# Altium PCB HORNET-1-IPG.PcbDoc (part 4 of 8) (continued)
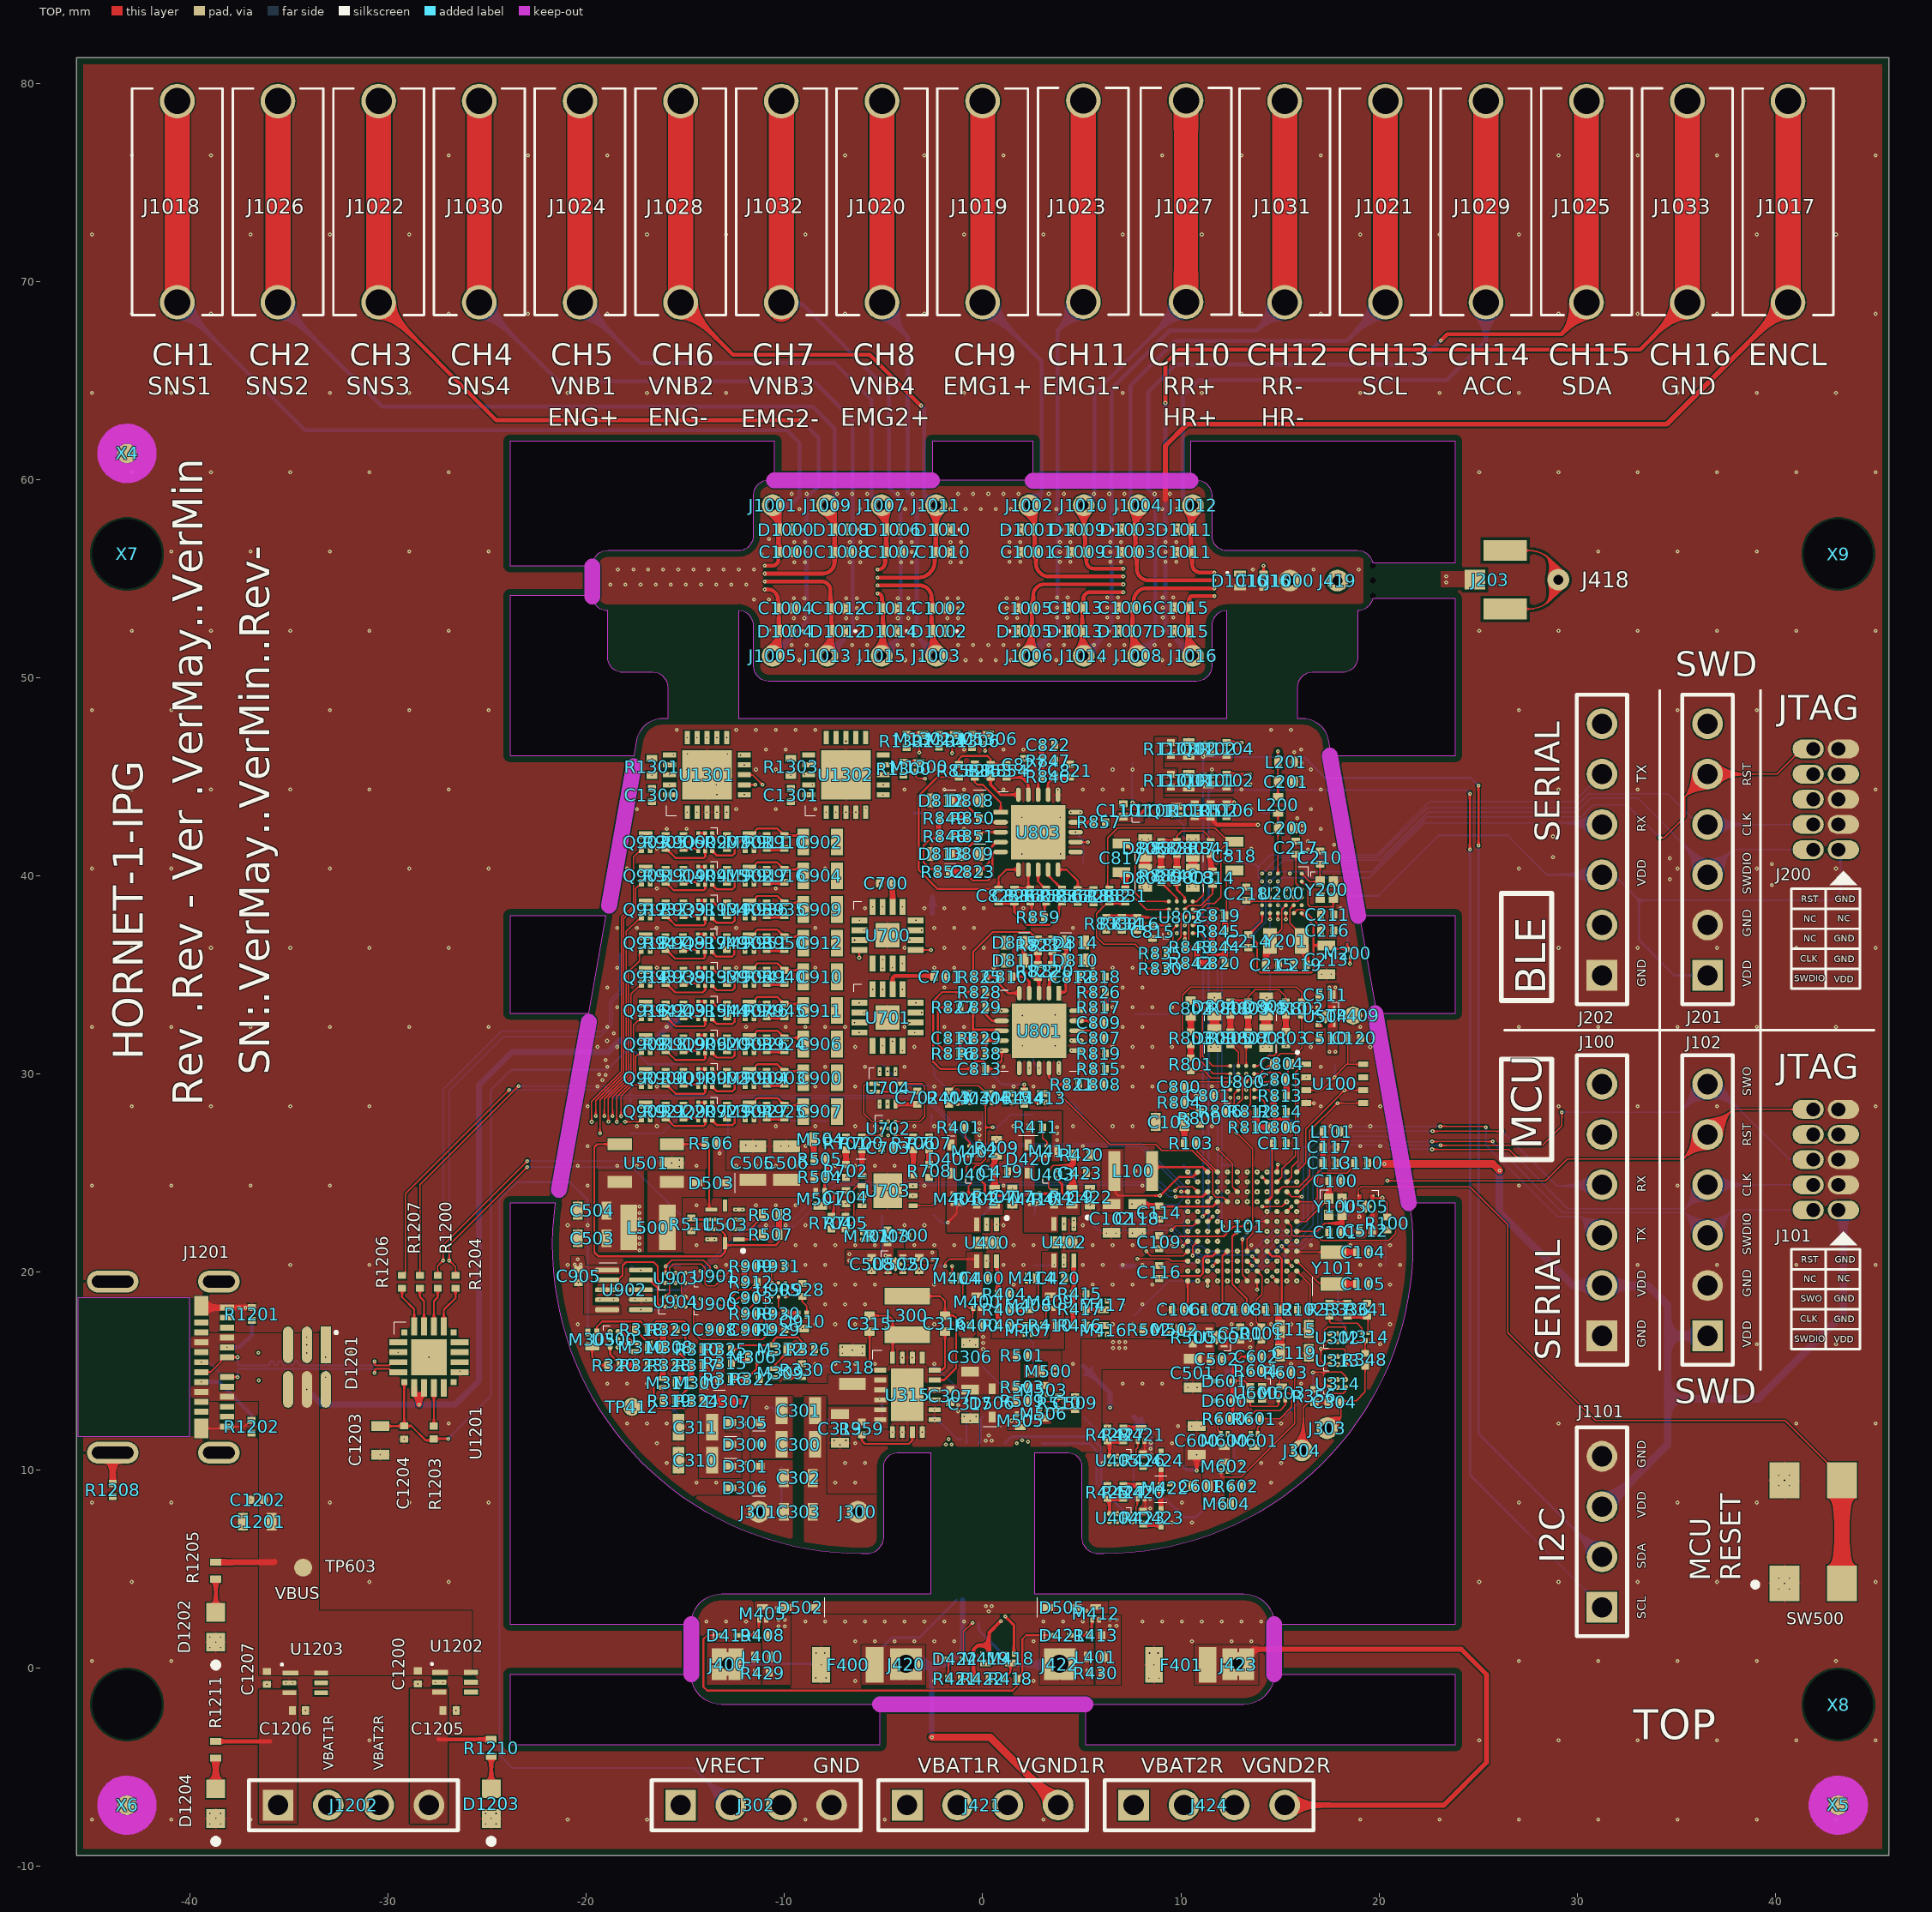
[diagram p0: TOP view]
## Nets (pads, with @x,y where several pads share a name; then routed paths per layer and width w, separated by ;. In a path a pad name is that pad's centre, name@x,y a point inside that pad or via, vN(x,y) a via of type N, cw(c..) or ccw(c..) an arc to the next point about the centre after c; other vN are vias at no path point) (continued)
  DHOR w0.06: v6(-27.229,20.577) -27.21,20.577 v7@-27.201,20.585 ; v7(-18.306,36.084) -18.313,36.091 -18.313,37.526 -16.845,38.994 -8.617,38.994 -7.712,39.9 13.87,39.9 14.712,39.9 v6(14.9,39.712)
  BOT w0.06: v6(-27.229,20.577) -27.229,29.206 -24.282,32.152 -20.041,32.152 -19.655,32.152 -19.218,32.152 -18.821,32.548 -18.821,33.69 -18.306,34.206 v7(-18.306,36.084) ; v7(-22.979,25.603) -21.157,25.603 -19.649,25.603 -15.671,25.603 -15.467,25.4 TP1200.1@-15.24,25.4 ; TP205.1@15.24,38.1 15.24,38.237 14.9,38.577 v6(14.9,39.712) 15.088,39.9 19.5,39.9 22.272,42.672 J202.4@30.961,42.672 ; J202.4@31.223,42.589 J202.4@31.25,42.589
  other v6: -22.979,25.603
  other v7: -27.229,20.577 14.9,39.712
BLE_UART.TX: J202.5 R1204.1 TP204.1 TP1203.1 U200.G2 | length 94
  TOP w0.06: v6@-26.931,20.591 -26.6,20.26 R1204.1@-26.6,19.825 ; v6(-26.917,20.577) -26.917,21.361 v7(-22.979,25.298)
  DHOR w0.06: v7@-26.925,20.585 v6(-26.917,20.577) ; v7(-18.11,36.834) -18.112,36.836 -18.112,37.525 -16.763,38.874 -8.526,38.874 -7.688,39.712 v6(14.1,39.712)
  BOT w0.06: v6(-26.917,20.577) -26.931,20.591 -26.931,29.147 -24.178,31.9 -19.3,31.9 -18.7,32.5 -18.7,33.627 -18.11,34.217 v7(-18.11,36.834) ; v7(-22.979,25.298) -17.678,25.298 TP1203.1@-15.24,22.86 ; TP204.1@12.7,40.64 13.692,40.64 13.9,40.432 ; v6(14.1,39.712) 13.9,39.912 13.9,40.432 ; J202.5@31.25,45.129 29.86,43.739 22.569,43.739 19.88,41.05 14.518,41.05 13.9,40.432
  other v6: -22.979,25.298
  other v7: -26.917,20.577 14.1,39.712
BLE_XL1: C219.2 U200.B5 Y201.1 | length 3.4
  TOP w0.06: U200.B5@15.7,38.512 15.499,38.311 15.499,37.872 15.499,37.61 15.777,37.332 15.78,37.332 15.954,37.158 15.954,36.857 Y201.1@16.33,36.482
  TOP w0.254: C219.2@16.33,35.5 Y201.1@16.33,36.482
BLE_XL2: C215.2 U200.D5 Y201.2 | length 3.5
  TOP w0.06: Y201.2@14.27,36.482 Y201.2@14.5,36.712 14.5,36.797 14.82,37.117 14.905,37.117 15.092,37.303 15.092,37.872 15.092,38.303 15.17,38.382 U200.D5@15.3,38.512
  TOP w0.254: C215.2@14.27,35.5 Y201.2@14.27,36.482
BST1_VCHG: C315.1 U315.1 | length 2.4
  TOP w0.1: C315.1@-5.7,17 -5.7,15.2 -5.566,15.066 -5.191,15.066 U315.1@-5.175,15.05
BST2_VCHG: C316.1 U315.16 | length 2.4
  TOP w0.1: U315.16@-2.425,15.05 -2.409,15.066 -2.034,15.066 -1.9,15.2 C316.1@-1.9,17
CB_EN: Q1101.1 Q1102.1 Q1103.1 TP1103.1 U101.B7 | length 33.5
  DVERT w0.06: v7(9.625,43.06) 10.623,42.062 ; v11(10.623,24.043) 10.623,42.062 ; v9(11.575,46.64) v9(11.575,45.04) 10.947,44.412 10.947,42.386 10.623,42.062 ; v11(12.649,24.308) 12.649,23.484 12.649,20.412 12.649,20.345 12.649,20.251 v9(12.85,20.05)
  DHOR w0.06: v11(10.623,24.043) 12.384,24.043 v11(12.649,24.308)
  BOT w0.06: v7(9.625,43.06) 10.16,42.525 TP1103.1@10.16,40.64
  other v9: 9.625,43.06
  other v11: 9.625,43.06
CH5: C1007.2 D1006.2 J1007.1 J1024.1 J1024.2 U1301.15 | length 52.9
  TOP w0.2: v8(-5.302,55.449) ccw(c-5.302,55.833) -4.918,55.833 -4.918,56.373 ccw(c-4.918,56.422) -4.868,56.422 D1006.2@-4.868,57.472 -4.868,58.452 ccw(c-5.114,58.452) J1007.1@-5.114,58.697
  TOP w1.27: J1024.1@-20.32,68.936 J1024.2@-20.32,79.096
  POWER w0.2: v24(-14.914,46.977) -14.627,46.977 -14.3,47.304 -14.3,52.87 cw(c-11.721,52.87) -14.25,53.373 cw(c-11.721,52.87) -11.721,55.449 v8(-5.302,55.449)
  BOT w0.2: J1024.1@-20.32,68.936 -17.272,65.888 -7.484,65.888 -5.607,64.011 -5.607,59.977 -5.607,59.18 -5.125,58.697 J1007.1@-5.095,58.697
  other v10: -5.302,55.449
  other v13: -5.302,55.449
  other v17: -5.302,55.449
CH6: C1010.2 D1010.2 J1011.1 J1028.1 J1028.2 U1301.1 | length 56
  TOP w0.2: v10(-5.302,55.049) -3.239,55.049 ccw(c-3.239,55.87) -2.418,55.87 -2.418,56.373 ccw(c-2.418,56.423) -2.368,56.423 D1010.2@-2.368,57.472 -2.37,57.472 J1011.1@-2.37,58.697
  TOP w0.203: J1028.1@-15.24,68.936 -12.598,66.294 -5.69,66.294 -3.124,63.729 v6(-3.099,63.729)
  TOP w1.27: J1028.1@-15.24,68.936 J1028.2@-15.24,79.096
  POWER w0.2: v24@-14.914,43.207 -14.914,44.548 -13.9,45.561 -13.9,52.856 cw(c-11.707,52.856) -11.707,55.049 v10(-5.302,55.049)
  BOT w0.2: v6(-3.099,63.729) -2.951,63.581 -2.951,59.977 -2.951,59.219 -2.429,58.697 J1011.1@-2.345,58.697
  other v7: -3.099,63.729
  other v8: -5.302,55.049
  other v13: -5.302,55.049
  other v17: -5.302,55.049
  other v24: -14.914,43.207
CH7: C1014.2 D1014.2 J1015.1 J1032.1 J1032.2 U1301.11 | length 49.4
  TOP w0.2: v17(-5.302,54.249) cw(c-5.302,54.031) -5.083,54.031 C1014.2@-5.083,53.505 cw(c-5.083,53.455) -5.033,53.455 -5.033,52.305 -5.033,51.178 cw(c-5.114,51.178) J1015.1@-5.114,51.097
  TOP w1.27: J1032.1@-10.16,68.58 J1032.1@-10.16,68.936 J1032.2@-10.16,78.74
  POWER w0.2: v5(-12.914,46.977) -13.1,47.163 -13.1,52.856 cw(c-11.707,52.856) -11.707,54.249 v17(-5.302,54.249)
  BOT w0.203: J1032.1@-10.16,68.936 -10.064,68.84 -9.099,68.84 -4.723,64.463 -4.723,59.986 -4.723,59.587 -4.14,59.004 -4.14,52.071 J1015.1@-5.114,51.097
  other v8: -5.302,54.249
  other v10: -5.302,54.249
  other v13: -5.302,54.249
CH8: C1002.2 D1002.2 J1003.1 J1020.1 J1020.2 U1301.6 | length 53.9
  TOP w0.2: v10(-5.302,54.649) -3.18,54.649 cw(c-3.18,54.052) -2.583,54.052 C1002.2@-2.583,53.505 -2.583,52.355 ccw(c-2.533,52.355) -2.533,52.305 -2.533,51.26 ccw(c-2.37,51.26) J1003.1@-2.37,51.097
  TOP w1.27: J1020.1@-5.08,68.936 J1020.2@-5.08,79.096
  POWER w0.2: v5(-12.029,44.092) v5(-12.029,44.092) -13.5,45.561 -13.5,52.856 cw(c-11.707,52.856) -11.707,54.649 v10(-5.302,54.649)
  BOT w0.2: J1020.1@-5.08,68.936 -5.08,68.478 -3.785,67.183 -3.785,60.122 -3.785,59.36 -3.327,58.903 -3.327,52.095 -2.37,51.138 J1003.1@-2.37,51.097
  other v8: -5.302,54.649
  other v13: -5.302,54.649
  other v17: -5.302,54.649
CH10: C1009.2 D1009.2 J1010.1 J1027.1 J1027.2 U1302.6 | length 63.9
  TOP w0.191: J1010.1@5.093,58.697 5.093,57.651 ccw(c5.168,57.651) 5.168,57.577 5.168,56.4 ccw(c5.233,56.4) C1009.2@5.233,56.335 5.233,55.88 ccw(c5.612,55.88) 5.24,55.809 ccw(c5.612,55.88) 5.612,55.501 v25(7.1,55.501)
  TOP w1.2: J1027.1@10.262,68.961 J1027.2@10.262,79.121
  AHOR w0.191: v3(-5.022,44.077) v13(13.532,44.077)
  POWER w0.191: v25(7.1,55.501) 7.579,55.506 cw(c7.581,55.315) 7.581,55.506 11.971,55.506 cw(c11.971,53.377) 14.1,53.377 14.1,44.645 cw(c13.532,44.645) v13(13.532,44.077)
  BOT w0.191: J1010.1@5.105,58.697 5.639,59.231 5.639,64.338 J1027.1@10.262,68.961
  other v17: 13.532,44.077
CH12: C1013.2 D1013.2 J1014.1 J1031.1 J1031.2 U1302.1 | length 82.6
  TOP w0.191: D1013.2@5.023,52.195 5.023,51.188 J1014.1@5.114,51.097 ; D1013.2@5.023,52.345 5.023,53.47 cw(c5.088,53.47) C1013.2@5.088,53.535 5.08,53.535 5.08,53.975 cw(c5.411,53.975) 5.411,54.306 v25(7.1,54.306)
  TOP w1.27: J1031.1@15.24,68.936 J1031.2@15.24,79.096
  AHOR w0.191: v10(-7.9,47.162) -5.11,47.162 -4.804,47.468 11.967,47.468 v13(12.272,47.162)
  AVERT w0.2: v8(-7.9,43.206) v10(-7.9,47.162)
  POWER w0.191: v25(7.1,54.306) 11.971,54.306 cw(c11.971,53.377) 12.9,53.377 12.9,47.957 ; v13(12.272,47.162) 12.575,47.162 ccw(c12.575,47.487) 12.9,47.487 12.9,53.373
  BOT w0.203: J1014.1@5.114,51.097 6.502,52.486 6.502,60.935 6.502,64.593 9.423,67.514 13.818,67.514 J1031.1@15.24,68.936
  other v17: 12.272,47.162
CHG1.EN: M403.1 M404.1 R403.1 TP434.1 U101.J7 | length 28.7
  TOP w0.06: R403.1@-1.7,28.475 v9(-1.266,28.475) -1.045,28.475 -0.975,28.545 M403.1@-0.975,28.56 ; M404.1@-1.54,19.875 v9(-1.54,20.303)
  DVERT w0.06: v9(-1.54,20.303) -1.266,20.577 v11(-1.266,22.5) v9(-1.266,28.475)
  DHOR w0.06: v11(-1.266,22.5) 10.424,22.5 11.474,23.55 v6(12.85,23.55)
  BOT w0.06: TP434.1@-5.08,30.48 -4.011,29.411 -2.69,29.411 -1.754,28.475 v9(-1.266,28.475)
  other v7: -1.266,28.475
  other v11: -1.266,28.475
CHG1.OVP_ERRn: M406.3 R403.2 TP405.1 U101.J8 | length 19
  TOP w0.06: v7(-1.675,29.125) R403.2@-1.7,29.125 -1.685,29.125 -1.52,29.29 -1.52,29.3 -1.42,29.4 -0.2,29.4 0.03,29.17 0.04,29.17 0.205,29.005 v6(0.33,29.005) ; v6(3.85,29.005) 6.414,26.441 8.735,26.441 9.036,26.14 10.578,26.14 11.6,25.118 11.6,23.95 11.772,23.778 12.122,23.778 U101.J8@12.35,23.55
  DHOR w0.06: v6(0.33,29.005) v6(3.85,29.005)
  BOT w0.06: TP405.1@-2.54,30.48 -2.452,30.392 -2.452,29.902 v7(-1.675,29.125)
  other v6: -1.675,29.125
CHG1.STATUS: U101.K8 U400.2 | length 17.2
  TOP w0.06: U101.K8@12.35,24.05 12.35,24.054 v9(12.355,24.059)
  DVERT w0.06: v11(0.2,20.577) v9(0.2,22.4) ; v11(12.125,20.8) 12.355,21.03 v9(12.355,24.059)
  DHOR w0.06: v11(0.2,20.577) 5.08,20.577 9.6,20.577 10.613,20.577 10.837,20.8 v11(12.125,20.8)
CHG2.EN: M413.1 M414.1 R414.1 TP431.1 U101.L7 | length 27
  TOP w0.06: R414.1@2.1,28.475 2.185,28.56 2.81,28.56 v6(2.825,28.56)
  DVERT w0.06: v11(2.825,19.875) 2.825,19.913 2.87,19.958 2.87,28.515 v6(2.825,28.56) ; v9(12.85,24.55) 13.106,24.806 13.106,25.8 13.106,28.5 v12(13.106,28.55)
  DHOR w0.06: v6(2.26,19.875) v11(2.825,19.875) ; v6(2.825,28.56) 12.2,28.56 13.096,28.56 v12(13.106,28.55)
  BOT w0.06: v6(2.825,28.56) 4.46,28.56 TP431.1@5.08,27.94
  other v7: 2.825,28.56
CHG2.OVP_ERRn: M415.3 R414.2 TP424.1 U101.M8 | length 28.5
  TOP w0.06: M415.3@1.295,29.005 1.415,29.125 R414.2@2.1,29.125 v7(2.1,29.468)
  DVERT w0.06: v9(12.35,25.05) v12(12.35,29.45)
  DHOR w0.06: v12(12.35,29.45) 12.2,29.45 ; v6@2.118,29.45 v7(2.1,29.468) v6@2.118,29.45 ; v6@2.118,29.45 12.2,29.45 ; v6@2.118,29.45 12.2,29.45
  BOT w0.102: TP424.1@0,30.48 0,30.429 0.961,29.468 v7(2.1,29.468)
  other v6: 2.1,29.468
CHG2.STATUS: U101.L8 U402.2 | length 14.5
  DVERT w0.06: v9(4.1,22.425) v12(4.1,26.438) ; v9(12.35,24.55) 12.597,24.798 v12(12.597,26.438)
  DHOR w0.06: v12(4.1,26.438) v12(12.597,26.438)
CHG_RATE1: M407.1 M416.1 TP432.1 U101.J6 | length 19.9
  TOP w0.06: v7(2.125,16.853) M407.1@2.125,16.855 ; U101.J6@13.35,23.55 v9(13.352,23.55)
  DVERT w0.06: v7(2.125,16.853) v11(2.125,17.3) ; v9(5.925,16.86) v11(5.925,17.3) v11(5.925,21.054) ; v11(13.125,21.3) 13.352,21.527 v9(13.352,23.55)
  DHOR w0.06: v11(2.125,17.3) v11(5.925,17.3) ; v11(5.925,21.054) 10.594,21.054 10.84,21.3 v11(13.125,21.3)
  BOT w0.06: v7(2.125,16.853) 2.54,16.438 TP432.1@2.54,15.24
  other v9: 2.125,16.853
  other v11: 2.125,16.853
CHG_RATE2: M408.1 M417.1 TP433.1 U101.M7 | length 29
  DVERT w0.06: v7(2.475,18.54) v12(2.475,26.652) ; v9(6.275,18.54) v12(6.3,26.655) ; v9(12.85,25.05) v12(12.85,26.655)
  DHOR w0.06: v12(2.475,26.652) 2.478,26.655 v12(12.85,26.655)
  BOT w0.06: v7(2.475,18.54) 2.502,18.513 2.502,17.818 TP433.1@2.54,17.78
  other v9: 2.475,18.54
  other v11: 2.475,18.54
COIL_PAD_1: C300.1 C301.1 C302.2 C303.2 J300.1 TP300.1 | length 1.7
  BOT w0.1: v7(-8.45,11.3) -8.45,11.87 TP300.1@-7.62,12.7
  other v6: -8.45,11.3
COIL_PAD_2: C302.1 C303.1 D301.2 D306.1 J301.1 TP313.1 | length 2.1
  BOT w0.1: TP313.1@-10.16,10.16 -10.155,10.155 -10.155,8.082 v7(-10.15,8.077)
  other v6: -10.15,8.077
DAC_VOUTA: U902.2 U903.1 | length 6.2
  TOP w0.1: U902.2@-19.15,19.6 U902.2@-19.086,19.664 ; U903.1@-16,19.45 -16.25,19.45 -16.3,19.5 -16.4,19.6 -16.4,20.3 -16.6,20.5 -18,20.5 -18.17,20.33 -18.17,19.83 -18.336,19.664 ; U902.2@-19.086,19.664 -18.336,19.664 ; U902.2@-19.086,19.664 -18.336,19.664 ; U902.2@-19.086,19.664 -18.336,19.664
DAC_VOUTB: U902.9 U904.1 | length 2.5
  TOP w0.1: U902.9@-17.45,19.6 -16.775,19.6 -16.706,19.531 -16.706,19.506 -16.4,19.2 -16.4,18.4 -16.3,18.3 -16.25,18.25 U904.1@-16,18.25
DEBUG_UART_RX: J100.4 R1206.1 TP104.1 TP1205.1 U101.D11 | length 82.2
  TOP w0.06: R1206.1@-29.3,19.825 -29.275,19.825 -29.13,19.97 -29.13,23.956 v6(-23.901,29.185) ; v7(22.7,27.105) 26.21,27.105 v6(26.213,27.102)
  BOT w0.06: v6(-23.901,29.185) -19.025,29.185 -18.625,28.785 -2.92,28.785 -0.482,26.347 7.918,26.347 10.084,24.181 10.084,23.647 9.83,23.393 8.153,23.393 TP104.1@7.62,22.86 8.128,22.352 9.548,22.352 v6(10.85,21.05) 11.034,20.866 13.82,20.866 14.814,21.86 15.809,21.86 16.419,22.47 16.419,26.133 17.391,27.105 v7(22.7,27.105) ; TP1205.1@-17.78,27.94 -17.78,28.785 ; v6(26.213,27.102) 28.956,24.359 31.209,24.359 J100.4@31.25,24.4
  other v6: 22.7,27.105
  other v7: 10.85,21.05 26.213,27.102 -23.901,29.185
DEBUG_UART_TX: J100.3 R1207.1 TP105.1 TP1206.1 U101.D10 | length 80.4
  TOP w0.06: R1207.1@-28.4,19.825 -28.4,24.407 v7(-23.419,29.388) ; v7(23.09,27.355) 25.312,27.355 25.362,27.305 v6(25.4,27.305)
  BOT w0.06: v7(-23.419,29.388) -19.05,29.388 -18.567,28.905 -17.78,28.905 ; TP1206.1@-17.78,30.48 -17.78,28.905 ; v7(23.09,27.355) 17.287,27.355 16.169,26.237 16.169,22.573 15.706,22.11 14.711,22.11 13.651,21.05 v6(11.35,21.05) 11.078,21.322 10.805,21.322 10.16,21.968 TP105.1@10.16,22.86 10.16,23.087 10.35,23.277 10.35,24.143 8.026,26.467 -0.432,26.467 -2.87,28.905 -17.78,28.905 ; v6(25.4,27.305) 25.4,26.391 28.991,22.8 30.2,22.8 31.14,21.86 J100.3@31.25,21.86
  other v6: 23.09,27.355 -23.419,29.388
  other v7: 11.35,21.05 25.4,27.305
DEFIB_COMMON: D1000.1 D1001.1 D1002.1 D1003.1 D1004.1 D1005.1 D1006.1 D1007.1 D1008.1 D1009.1 D1010.1 D1011.1 D1012.1 D1013.1 D1014.1 D1015.1 D1016.1
  other v8: -9.583,52.157 -6.933,52.157 -4.333,52.157 -1.833,52.157 1.783,52.157 4.323,52.157 6.863,52.157 9.657,52.156 -9.583,52.481 -6.933,52.481 -4.333,52.481 -1.833,52.481 1.783,52.48 4.323,52.48 6.863,52.48 9.657,52.48 12.844,55.25 13.168,55.25 -9.568,57.284 -6.774,57.284 -4.168,57.284 -1.668,57.284 1.928,57.284 4.468,57.284 7.008,57.284 9.802,57.284 -9.568,57.608 -6.774,57.608 -4.168,57.608 -1.668,57.608 1.928,57.607 4.468,57.607 7.008,57.607 9.802,57.607
DVDD: C103.1 C106.2 C107.2 C108.2 C109.2 C111.2 C112.2 C114.2 C115.1 C116.2 C118.1 C119.1 C500.2 C512.2 C1101.2 J100.2 J101.1 J102.1 J1101.3 L101.1 M200.2 M308.2 M309.2 M601.2 R100.1 R102.2 R103.2 TP501.1 U101.A12 U101.D4 U101.D8 U101.D9 U101.F7 U101.G6 U101.J4 U101.J9 U500.1 U505.4 U1101.1 U1101.5 | length 81.7
  TOP w0.1: v5(7.532,23.425) C118.1@7.8,23.425 v5(8.07,23.425) ; U1101.1@7.9,43 U1101.1@7.9,43.05 ; C116.2@8.9,19.67 v5(8.9,19.664) 9.031,19.795 10.981,19.795 11.106,19.92 11.106,20.688 11.218,20.8 11.6,20.8 11.831,21.031 11.835,21.031 11.85,21.046 U101.D9@11.85,21.05 ; v5(8.9,21.83) 8.93,21.8 12.166,21.8 12.665,22.299 13.099,22.299 U101.G6@13.35,22.55 ; C114.2@8.9,23.33 8.93,23.3 11.607,23.3 11.85,23.543 U101.J9@11.85,23.55 ; C103.1@10.175,27.437 10.175,27.356 v5(10.268,27.264) ; C106.2@10.35,18.22 U101.A12@10.35,19.55 ; C107.2@11.83,18.135 11.955,18.26 12.099,18.404 12.099,20.799 U101.D8@12.35,21.05 ; U101.F7@12.85,22.05 12.598,21.798 12.598,19.384 13.33,18.653 C108.2@13.33,18.1 ; U101.D4@14.35,21.05 14.6,20.8 14.955,20.8 15.1,20.655 C112.2@15.1,18.305 ; U101.J4@14.35,23.55 14.609,23.809 C111.2@14.609,26.439 ; v5(18.535,35.56) 18.55,35.575 M200.2@18.55,35.895
  TOP w0.152: U1101.1@7.9,43.05 U1101.5@8.4,43.55
  TOP w0.254: v5(8.07,23.425) 8.07,23.383 8.123,23.33 C114.2@8.9,23.33 ; R103.2@10.175,26.5 C103.1@10.175,27.264 ; C103.1@10.175,27.416 C103.1@10.175,27.575 ; C103.1@10.288,27.264 C103.1@10.288,27.404 ; C112.2@14.93,18.1 14.912,18.082 14.912,17.406 v5(14.999,17.318)
  TOP w0.381: v5(14.997,16.937) 14.997,15.935 C119.1@15.01,15.922 ; v5(20.271,25.454) 25.752,25.454 v7(26.086,25.121)
  POWER w0.1: v21@13.33,18.1 v21@13.349,18.081
  BOT w0.1: TP501.1@12.7,17.78 12.826,17.78 13.146,18.1 v21@13.33,18.1
  BOT w0.381: v7(26.086,25.121) 26.068,25.103 26.068,23.03 29.778,19.32 J100.2@31.25,19.32 33.579,19.32 34.569,18.329 34.569,16.78 ; J1101.3@31.25,8.16 31.433,8.16 34.569,11.296 34.569,12.605 34.569,13.605 ; J102.1@36.83,16.78 J102.1@36.58,16.78 34.569,16.78 ; J101.1@43.18,23.13 43.434,22.876 43.434,17.898 39.141,13.605 34.569,13.605 ; 34.569,13.605 34.569,16.78
  other v5: 13.525,11.825 -10.55,14.675 14.994,15.748 14.997,16.129 13.505,16.2 -15.45,16.425 13.505,16.57 10.23,18.1 11.83,18.1 15.875,18.1 19.58,21.979 20.417,22.13 19.769,22.226 14.67,26.5 18.005,27.1 10.274,27.655 7.1,42.97
  other v6: 26.086,25.121
  other v21: 13.34,18.09
ECG.HR_LOD: U101.C3 U800.C1 | length 16
  TOP w0.06: U800.C1@13.3,28.8 v3(13.323,28.8)
  AHOR w0.06: v3(13.323,28.8) v15(16.305,28.8) ; v15(15.1,18.861) 16.297,18.861 v15@16.305,18.852
  AVERT w0.06: v8(14.85,20.55) 14.85,20.355 15.1,20.105 v15(15.1,18.861) ; v15@16.305,18.852 v15(16.305,28.8)
  other v15: 16.301,18.857
ECG.HR_OUT: C806.1 R814.2 U101.M4 U800.D1 | length 6.6
  TOP w0.06: U800.D1@13.7,28.8 14,28.8 14.226,28.574 14.226,27.92 14.425,27.72 15.35,27.72
  TOP w0.254: R814.2@15.325,28.1 15.35,28.075 15.35,27.72 15.35,27.35 v3(15.4,27.3)
  AHOR w0.06: v15(14.35,27.3) v3(15.4,27.3)
  AVERT w0.06: v8(14.35,25.05) v15(14.35,27.3)
ECG.HR_SDNn: TP800.1 U101.D6 U800.B1 | length 9.2
  TOP w0.06: v9(12.809,27.036) 13.625,26.22 13.625,25.8 13.625,21.931 13.35,21.656 U101.D6@13.35,21.05
  DVERT w0.06: v9(12.809,27.036) 12.809,28.5 12.809,28.671 12.9,28.762 v7(12.9,28.8)
  DHOR w0.06: v7(12.9,28.8) v6@12.903,28.804
  BOT w0.06: TP800.1@12.7,27.94 12.7,28.6 v7(12.9,28.8)
  other v6: 12.9,28.8
ECG.RLD: TP802.1 TP803.1 U101.B6 U800.C2 U802.C2 | length 27.5
  TOP w0.06: v8(13.35,20.05) U101.B6@13.352,20.05
  AHOR w0.06: v15(9.99,26.438) v15(13.1,26.438)
  AVERT w0.06: v15(9.99,26.438) 10.008,26.456 10.008,36.88 10.008,37.308 v8(10.2,37.5) ; v7(13.3,29.2) 13.1,29 v15(13.1,26.438) 13.1,25.8 13.1,21.991 13.35,21.741 13.35,20.052 v8@13.352,20.05
  BOT w0.06: TP802.1@7.62,33.02 v10(10.008,33.02) ; TP803.1@12.7,30.48 12.7,29.8 v7(13.3,29.2)
  other v6: 13.3,29.2
  other v7: 10.008,33.02
  other v11: 10.008,33.02
  other v13: 10.008,33.02
  other v17: 10.008,33.02
  other v18: 10.008,33.02
ECG.RR_LOD: U101.A10 U802.C1 | length 21.1
  TOP w0.06: v3(11.35,19.3) U101.A10@11.35,19.55
  TOP w0.152: v10(10.2,36.806) U802.C1@10.2,37.1
  AHOR w0.06: v15(9.228,19.3) v3(11.35,19.3) ; v15(9.228,36.806) v10(10.2,36.806)
  AVERT w0.06: v15(9.228,19.3) v15(9.228,36.806)
  other v8: 10.2,36.806
ECG.RR_OUT: C820.1 R844.2 U101.L4 U802.D1 | length 16.2
  TOP w0.06: U802.D1@10.6,37.1 10.975,37.1 11.21,36.865 11.21,36.164 11.371,36.003 12.23,36.003 ; R844.2@12.225,36.4 R844.2@12.23,36.395 ; v8(14.1,24.8) U101.L4@14.35,24.55
  TOP w0.254: v3(12.23,35.6) 12.23,36.003 R844.2@12.23,36.395
  AHOR w0.06: v3(12.23,35.6) v15(13.946,35.6)
  AVERT w0.06: v15(13.946,35.6) 13.946,30.754 14.1,30.6 14.1,25.8 v8(14.1,24.8)
ECG.RR_SDNn: TP801.1 U101.B10 U802.B1 | length 23.5
  DVERT w0.06: v12(8.9,19.114) v12(8.9,37.1) ; v12(11.35,19.126) v9(11.35,20.05)
  DHOR w0.06: v12(8.9,19.114) 8.906,19.12 11.344,19.12 v12(11.35,19.126) ; v12(8.9,37.1) 9.784,37.1 9.826,37.059 v7@9.835,37.059
  BOT w0.06: v6(9.8,37.1) 10.16,37.46 TP801.1@10.16,38.1
  other v7: 9.8,37.1
ECG_HR+: R805.1 R808.1 U1302.5 | length 30
  TOP w0.06: v8(12.5,32.975) R808.1@12.5,32.985
  TOP w0.1: U1302.5@-5.9,43.207 U1302.5@-5.9,43.419
  TOP w0.254: R805.1@12.5,32.125 v8(12.5,32.975)
  AHOR w0.1: v3(-5.899,43.42) v10(12.57,43.42)
  AVERT w0.1: v8(12.5,32.975) 12.5,33.002 12.57,33.072 v10(12.57,43.42)
ECG_HR-: R807.1 R809.1 U1302.2 | length 32
  TOP w0.254: R807.1@13.4,32.125 v3(13.4,32.975)
  AHOR w0.1: v10(-7.4,40.485) v15(12.948,40.485)
  AHOR w0.127: v15(12.952,32.975) v3(13.4,32.975)
  AVERT w0.06: v10(-7.4,40.485) -7.6,40.685 -7.6,43.007 v8(-7.4,43.207)
  AVERT w0.127: v15(12.948,40.485) 12.95,40.483 12.95,32.977 v15(12.952,32.975)
ECG_HR_IOUT: R801.1 R811.1 U800.B4 | length 5.7
  TOP w0.06: R801.1@10.5,30.152 11.173,30.152 11.525,29.8 12.7,29.8 U800.B4@12.9,30 13.095,29.805 13.095,28.719 12.952,28.576 12.8,28.424 12.8,27.7 13.175,27.325 R811.1@13.175,27.3
ECG_HR_REFOUT: C804.1 C805.1 R813.1 U800.C3 | length 4.4
  TOP w0.06: U800.C3@13.3,29.6 13.505,29.805 14.164,29.805 14.429,30.07 14.995,30.07 15.185,29.88 C805.1@15.3,29.765 ; R813.1@15.313,28.913 R813.1@15.33,28.93 ; C805.1@15.33,29.765 C805.1@15.33,29.7 15.4,29.77 15.4,30.4 C804.1@15.5,30.5 ; R813.1@15.3,28.9 R813.1@15.33,28.93 ; R813.1@15.3,28.9 R813.1@15.33,28.93 ; R813.1@15.3,28.9 R813.1@15.33,28.93 ; C805.1@15.3,29.7 C805.1@15.3,29.765 ; C805.1@15.3,29.7 C805.1@15.3,29.765 ; C805.1@15.3,29.7 C805.1@15.3,29.765
  TOP w0.254: R813.1@15.33,28.93 C805.1@15.33,29.7
ECG_HR_SW: C804.2 R802.1 U800.D4 | length 4.7
  TOP w0.06: U800.D4@13.7,30 14,30 14.4,30.4 14.6,30.4 C804.2@14.7,30.5 14.815,30.615 14.815,30.815 15.03,31.03 15.83,31.03 16.1,31.3 R802.1@16.1,32.975
ECG_RR+: R837.1 R839.1 U1302.7 | length 18.5
  TOP w0.06: R839.1@9,40.3 R839.1@9,40.325
  TOP w0.254: R839.1@9,40.325 v8(9,41.075)
  AHOR w0.06: v3(-5.015,44.592) v15(9.145,44.593)
  AVERT w0.06: v8(9,41.075) 9.145,41.22 v15(9.145,44.593)
ECG_RR-: R836.1 R840.1 U1302.20 | length 22.3
  TOP w0.254: R840.1@9.8,40.325 v8(9.8,41.075)
  AHOR w0.06: v15(-8.785,41.4) v15(9.8,41.4)
  AVERT w0.06: v15(-8.785,41.4) v8(-8.785,44.092) ; v8(9.8,41.075) v15@9.8,41.397
ECG_RR_IOUT: R830.2 R842.1 U802.B4 | length 3.9
  TOP w0.06: R830.2@9.303,35.319 9.303,35.344 9.448,35.489 9.473,35.489 9.584,35.6 9.84,35.6 ; U802.B4@9.8,38.3 9.995,38.105 10.005,38.095 10.005,36.905 9.84,36.74 9.84,35.6 ; R842.1@10.175,35.6 9.84,35.6
ECG_RR_REFOUT: C818.2 C819.1 R845.1 U802.C3 | length 5.4
  TOP w0.06: U802.C3@10.2,37.9 10.405,38.105 11.064,38.105 11.329,38.37 11.83,38.37 12.02,38.18 12.085,38.18 C819.1@12.2,38.065 ; R845.1@12.225,37.2 R845.1@12.23,37.205 ; C819.1@12.23,38.065 C819.1@12.23,38 12.3,38.07 C818.2@12.3,40.2
  TOP w0.254: R845.1@12.23,37.205 C819.1@12.23,38
ECG_RR_SW: C818.1 R832.2 U802.D4 | length 14.3
  TOP w0.06: R832.2@6.4,39.325 6.3,39.425 6.3,41.9 6.8,42.4 11.729,42.4 12.198,41.931 12.28,41.931 C818.1@12.404,41.807 ; U802.D4@10.6,38.3 10.855,38.3 11,38.3 11.3,38.6 11.7,38.6 12.02,38.92 12.02,41.325 12.206,41.511 12.28,41.511 C818.1@12.42,41.651 ; C818.1@12.404,41.725 C818.1@12.404,41.807 ; C818.1@12.404,41.725 C818.1@12.404,41.807 ; C818.1@12.404,41.725 C818.1@12.404,41.807 ; C818.1@12.42,41.651 C818.1@12.42,41.725 ; C818.1@12.42,41.651 C818.1@12.42,41.725 ; C818.1@12.42,41.651 C818.1@12.42,41.725
ECG_SEL: M1306.1 U101.K7 | length 34.8
  TOP w0.06: v9(0.117,46.3) M1306.1@0.117,46.68 ; v6(11.849,26.225) 12.273,25.8 12.607,25.467 12.607,24.293 U101.K7@12.85,24.05
  DVERT w0.06: v12(0.117,26.225) v9(0.117,46.3)
  DHOR w0.06: v12(0.117,26.225) v6(11.849,26.225)
ECG_SELn: M1306.3 R1306.2 U1302.8 U1302.19 | length 13.6
  TOP w0.1: U1302.19@-8.785,44.592 -8.607,44.592 v9(-8.603,44.588)
  TOP w0.254: v6(-0.533,47.125) M1306.3@0.292,47.125
  DVERT w0.1: v9(-8.603,44.588) v12(-8.603,47.127) ; v9(-5.015,45.091) v11(-5.015,47.127)
  DHOR w0.1: v12(-8.603,47.127) v11(-5.015,47.127) v6@-0.556,47.127
EMG1+: C1001.2 D1001.2 J1002.1 J1019.1 J1019.2 R820.1 R824.1 | length 65
  TOP w0.191: J1002.1@2.35,58.697 2.628,58.419 2.628,57.577 2.628,56.4 ccw(c2.693,56.4) C1001.2@2.693,56.335 2.693,55.753 ccw(c3.34,55.753) 3.34,55.106 v25(7.1,55.106) ; R820.1@3.499,35.515 3.516,35.532 v3(3.516,36.171)
  TOP w1.27: J1019.1@0,68.936 J1019.2@0,79.096
  AHOR w0.191: v15(3.516,45.353) 5.504,45.353 5.774,45.623 v17(13.081,45.623)
  AVERT w0.191: v3(3.516,36.171) v15(3.516,45.353)
  POWER w0.191: v25(7.1,55.106) 11.971,55.106 cw(c11.971,53.377) 13.7,53.377 13.7,46.242 cw(c13.081,46.242) v17(13.081,45.623)
  BOT w0.203: J1019.1@0,68.936 2.972,65.964 2.972,59.977 2.972,59.319 2.549,58.896 J1002.1@2.35,58.697
  other v13: 13.081,45.623
EMG1-: C1005.2 D1005.2 J1006.1 J1023.1 J1023.2 R822.1 R823.1 | length 72.4
  TOP w0.191: J1006.1@2.355,51.097 2.483,51.225 2.483,53.47 cw(c2.548,53.47) 2.548,53.535 2.548,54.153 cw(c3.102,54.153) 3.102,54.706 v25(7.1,54.706)
  TOP w0.2: C1005.2@2.658,53.696 C1005.2@2.658,53.754
  TOP w0.203: R822.1@2.785,35.515 v3(2.785,36.171)
  TOP w1.27: J1023.1@5.08,68.936 J1023.2@5.08,79.096
  AHOR w0.191: v10(2.794,46.254) 2.8,46.248 2.809,46.256 v13@13.081,46.256
  AVERT w0.191: v3@2.785,36.23 2.785,46.246 v10(2.794,46.254)
  POWER w0.191: v25(7.1,54.706) 11.971,54.706 cw(c11.971,53.377) 13.3,53.377 13.3,46.477 cw(c13.081,46.477) v17(13.081,46.259)
  BOT w0.203: J1006.1@2.37,51.097 2.549,51.276 3.785,52.512 3.785,55.809 3.785,59.977 3.785,67.513 5.08,68.809 J1023.1@5.08,68.961
  other v13: 13.081,46.259
EMG1.LOD: U101.A5 U801.12 | length 24
  TOP w0.06: v3(13.85,19.1) U101.A5@13.85,19.55
  AHOR w0.06: v10(1.8,19.1) v3(13.85,19.1)
  AVERT w0.06: v10(1.8,19.1) 1.8,29.943 2.148,30.291 v8(2.345,30.291)
EMG1.OUT: C813.2 R838.1 U101.K4 U801.10 | length 24.1
  TOP w0.102: R838.1@-0.483,31.026 -0.483,30.747 -0.38,30.644 0.033,30.644 0.172,30.505 0.172,30.251 0.558,30.251 0.954,30.647 v3(0.954,31.182)
  AHOR w0.06: v3(0.954,31.182) 1.306,30.83 v15(15.059,30.83)
  AVERT w0.06: v8(14.35,24.05) 15.092,24.792 15.092,25.8 15.092,30.725 15.086,30.731 15.086,30.803 v15(15.059,30.83)
EMG1.SDNn: TP805.1 U101.C5 U801.13 | length 30.8
  TOP w0.06: v6(13.594,20.8) 13.6,20.8 U101.C5@13.85,20.55
  DVERT w0.06: v11(17.424,21.285) v11(17.424,30.291)
  DHOR w0.06: v21(2.845,30.291) v11@17.406,30.291 ; v6(13.594,20.8) 14.054,21.26 17.399,21.26 v11(17.424,21.285)
  BOT w0.06: TP805.1@2.54,33.02 2.54,30.596 v21(2.845,30.291)
EMG1_HPDRIVE: C812.1 U801.1 | length 1.1
  TOP w0.127: U801.1@3.845,34.072 3.885,34.112 4.14,34.112 4.192,34.164 C812.1@4.192,34.905
EMG1_HPSENSE: C812.2 R826.1 U801.20 | length 2.5
  TOP w0.127: U801.20@4.735,33.182 4.852,33.298 4.852,34.102 ; C812.2@4.852,34.905 4.852,34.102 ; R826.1@5.539,34.129 4.879,34.129 4.852,34.102
EMG1_IN+: D810.2 D814.1 R820.2 U801.2 | length 3
  TOP w0.122: R820.2@3.499,34.868 D810.2@4.218,35.587
  TOP w0.127: U801.2@3.345,34.072 3.36,34.087 3.36,34.806 3.44,34.806 R820.2@3.499,34.865 ; D810.2@4.218,35.587 D810.2@4.218,35.727 4.221,35.729 D814.1@4.221,36.701
EMG1_IN-: D811.2 D815.1 R822.2 U801.3 | length 3.1
  TOP w0.127: D815.1@2.071,36.704 2.071,35.732 D811.2@2.063,35.724 2.063,35.273 2.471,34.865 R822.2@2.785,34.865 2.845,34.806 U801.3@2.845,34.072
EMG1_IOUT: C809.2 R817.2 U801.19 | length 1.6
  TOP w0.102: U801.19@4.735,32.682 5.43,32.682 C809.2@5.534,32.578 5.539,32.583 R817.2@5.539,33.354
EMG1_OPAMP+: C829.2 R828.2 U801.7 | length 2.1
  TOP w0.127: R828.2@0.167,34.129 0.172,34.124 0.172,33.354 0.172,32.975 0.465,32.682 U801.7@0.954,32.682
EMG1_OPAMP-: R829.2 R838.2 U801.9 | length 1.6
  TOP w0.127: R838.2@0.167,31.026 0.167,31.802 0.287,31.682 U801.9@0.954,31.682
EMG1_REFIN: C807.2 R815.2 R819.1 U801.18 | length 2.7
  TOP w0.1: U801.18@4.735,32.182 5.425,32.182 5.534,32.073 C807.2@5.534,31.802 5.534,31.026 5.534,30.256 R815.2@5.539,30.251
EMG1_REFOUT: C811.1 C829.1 R816.1 R829.1 U801.8 | length 4.5
  TOP w0.127: R816.1@-1.148,31.026 -1.143,31.031 C811.1@-1.143,31.802 -0.483,31.802 -0.488,31.807 -0.488,32.166 ; C829.1@-0.488,33.354 -0.488,32.166 ; U801.8@0.954,32.182 0.908,32.228 -0.417,32.228 -0.483,32.161 -0.488,32.166
EMG1_RLD: C810.1 R825.2 U801.5 | length 2.3
  TOP w0.127: R825.2@0.162,34.902 0.813,34.902 C810.1@0.821,34.91 0.821,34.538 1.287,34.072 U801.5@1.845,34.072
EMG1_RLDFB: C810.2 U801.4 | length 1.6
  TOP w0.127: C810.2@1.481,34.91 2.098,34.91 2.345,34.663 U801.4@2.345,34.072
EMG1_SW: C811.2 R818.1 U801.6 | length 10.5
  AHOR w0.102: v3(-1.803,31.802) 0.953,31.802 v10(0.954,31.801) ; v10@0.986,34.902 5.535,34.902 v3(5.539,34.905)
  AVERT w0.102: v10(0.954,31.801) v3(0.954,33.182) 0.954,34.834 0.914,34.874 0.942,34.902 v10@0.986,34.902
  other v10: 0.954,34.902
EMG1_VO1: C809.1 R816.2 R827.1 | length 11.3
  TOP w0.102: R816.2@-1.798,31.026 -2.261,31.489 -2.261,33.223 -2.13,33.353 v3(-1.798,33.353) R827.1@-1.674,33.353
  AHOR w0.102: v3(-1.798,33.353) -1.023,32.578 v3(6.194,32.578)